# Altium PCB HBS V2.0.PcbDoc (part 1 of 3) (continued)
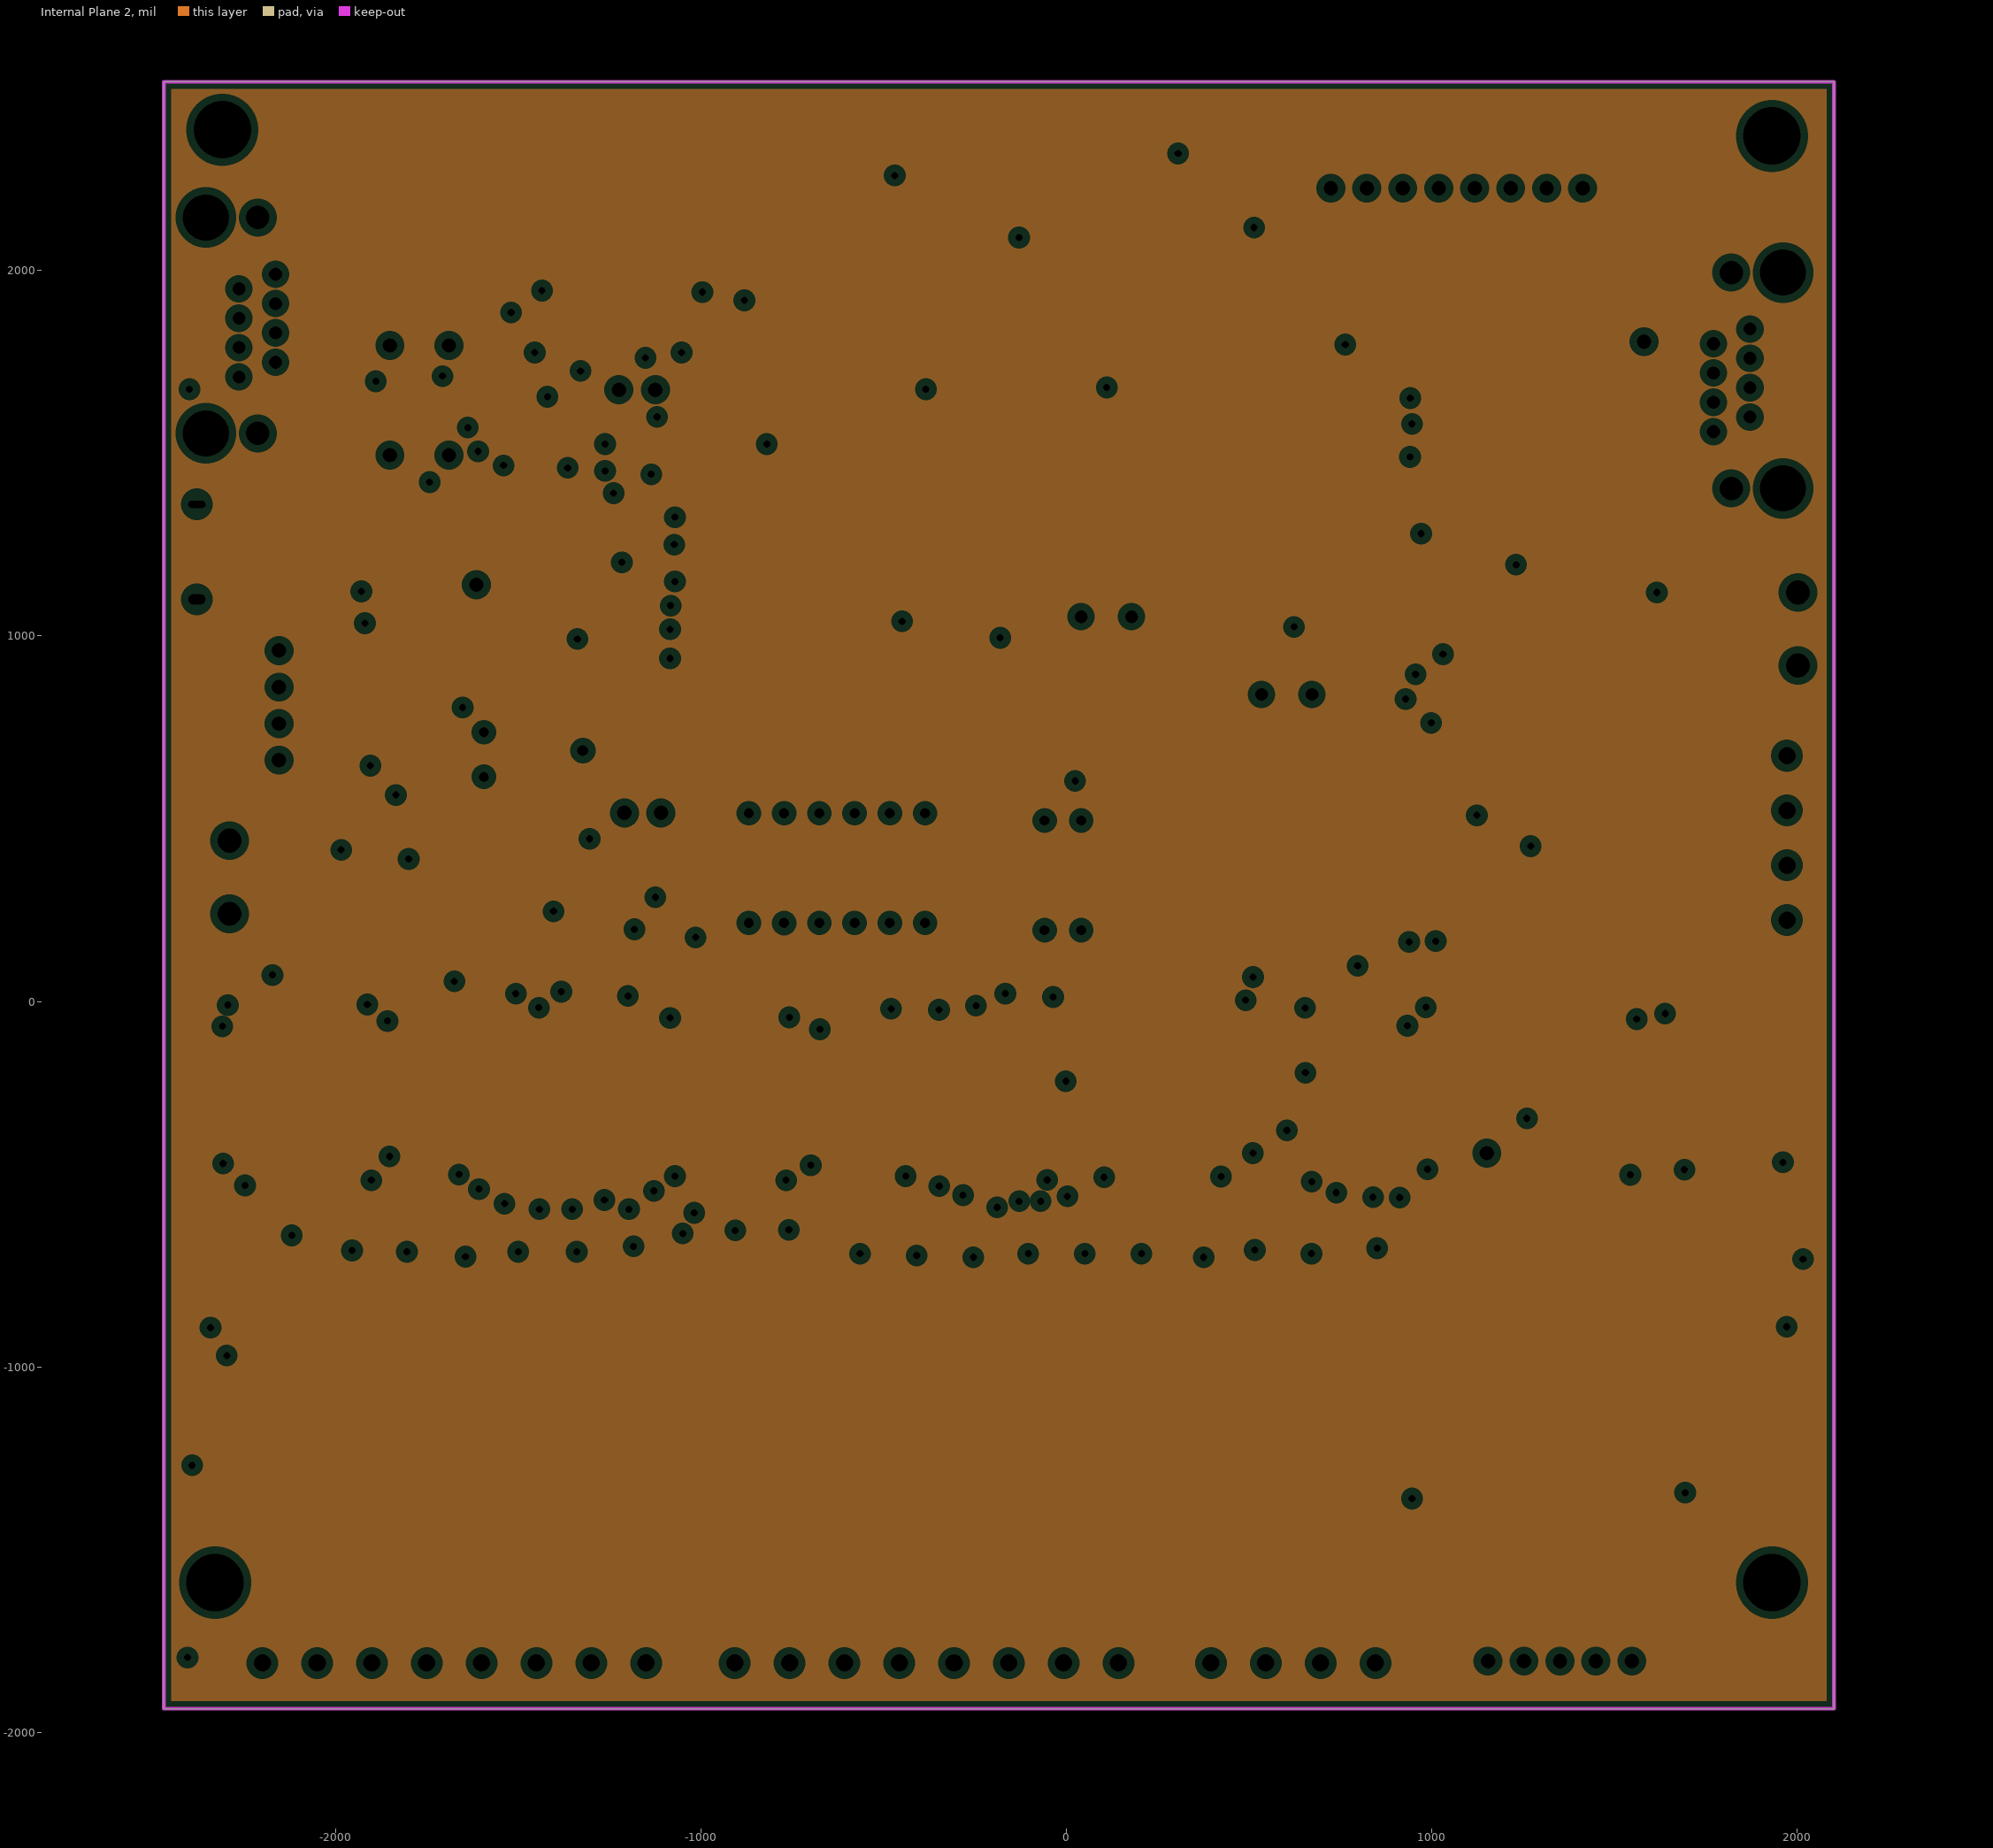
[diagram p3: Internal Plane 2, clearances drawn from the general rule]

## Layer stack, top to bottom
Top Solder: solder mask 0.4, Solder Resist, Dk 3.5
Top Layer: signal copper 1.4
Internal Plane 1: plane copper 1.4
Internal Plane 2: plane copper 1.4
Dielectric 1: dielectric 12.6, FR-4, Dk 4.8
Bottom Layer: signal copper 1.4
Bottom Solder: solder mask 0.4, Solder Resist, Dk 3.5

## Board outline
-2470,-1935 -2470,2516.26 2100,2516.26 2100,-1935

## Design rules (kind name [scope] priority, off if disabled: settings)
Clearance [All] p1: gap=7.87 ignorepadtopadclearanceinfootprint=TRUE except(0: Arc-Hole Track-Hole SMDPad-Hole THPad-Hole Via-Hole Fill-Hole Poly-Hole Region-Hole Text-Hole)
HoleSize [All] p1: absolutevalues=TRUE maxlimit=200 minlimit=1 maxpercent=80.000 minpercent=20.000
MinimumSolderMaskSliver [All] p1 off: minsoldermaskwidth=10
PlaneClearance [All] p1: clearance=20
PlaneConnect [All] p1: planeconnectstyle=Relief reliefexpansion=20 reliefentries=4 reliefconductorwidth=10 reliefairgap=10
PolygonConnect [All] p1: connectstyle=Relief reliefconductorwidth=10 reliefentries=4 polygonreliefangle="90 Angle" airgapwidth=10
RoomDefinition "Power 8V" [InComponentClass('Power 8V')] p1: confinementstyle=ConfineOut formatcopy=TRUE lockcomponents=FALSE outline 4565,-25 6825,-25 6825,785 4565,785
RoomDefinition "Shift Out" [InComponentClass('Shift Out')] p2: confinementstyle=ConfineOut formatcopy=TRUE lockcomponents=FALSE outline 4090,3280 2775,3280 2775,2635 4090,2635
RoomDefinition Actuator [InComponentClass('Actuator')] p3: confinementstyle=ConfineOut formatcopy=TRUE lockcomponents=FALSE outline 9900,-3450 8820,-3450 8820,-2335 9900,-2335
RoomDefinition Communication [InComponentClass('Communication')] p4: confinementstyle=ConfineOut formatcopy=TRUE lockcomponents=FALSE outline -2525,3275 -3240,3275 -3240,2565 -2525,2565
RoomDefinition "Power 5V" [InComponentClass('Power 5V')] p5: confinementstyle=ConfineOut formatcopy=TRUE lockcomponents=FALSE outline 2045,3575 950,3575 950,3225 2045,3225
RoomDefinition "Power 3.3V" [InComponentClass('Power 3.3V')] p6: confinementstyle=ConfineOut formatcopy=TRUE lockcomponents=FALSE outline -1733.72,3050 -1733.72,3975 -1035,3975 -1035,3050
RoomDefinition "Mosfet Input" [InComponentClass('Mosfet Input')] p7: confinementstyle=ConfineOut formatcopy=TRUE lockcomponents=FALSE outline -5290,-2150 -3795,-2150 -3795,-835 -5290,-835
RoomDefinition MCU [InComponentClass('MCU')] p8: confinementstyle=ConfineOut formatcopy=TRUE lockcomponents=FALSE outline -3700,5 -3700,1510 -2585,1510 -2585,5
RoomDefinition "Input Connector" [InComponentClass('Input Connector')] p9: confinementstyle=ConfineOut formatcopy=TRUE lockcomponents=FALSE outline -2940,-2680 -3705,-2680 -3705,-3045 -2940,-3045
RoomDefinition "Data Input Memory" [InComponentClass('Data Input Memory')] p10: confinementstyle=ConfineOut formatcopy=TRUE lockcomponents=FALSE outline 6030,410 5505,410 5505,1210 6030,1210
RoomDefinition Config [InComponentClass('Config')] p11: confinementstyle=ConfineOut formatcopy=TRUE lockcomponents=FALSE outline 7045,-4390 6515,-4390 6515,-3765 7045,-3765
RoutingVias [All] p1: holewidth=23.62 width=39.37 viastyle="Through Hole" minholewidth=19.68 minwidth=30 maxholewidth=43.31 maxwidth=82.68
SilkToBoardRegionClearance [All] p1 off:
SilkToSolderMaskClearance [IsPad] p1 off: minsilkscreentomaskgap=1 clearancetoexposedcopper=TRUE
SolderMaskExpansion [All] p1: expansion=4
UnRoutedNet [All] p1: checkbadconnections=TRUE
Width [All] p1: maxlimit=100 minlimit=10 preferedwidth=10 minimp=50.000000 maximp=50.000000 favimp=50.000000
23 further rules are at their usual default settings.

## Classes and differential pairs
component class "Power 8V": CM20 CM21 CR5 DM3 DZ20 LH4 LH5 REG1 RN1 RN2
component class "Shift Out": P3 SO1 SO2 SO3 SO5
component class Actuator: O1 O2 O3 O4 RF1 RF2 RF3 RF4 RF5 RF6 RF7 RF8 RF9 RF10 RF11 RF12 RF13 RF14 RF15 RF16 RF17 RF18 RF19 RF20 RF33 RF34 RF35 RF36 RH1 RH2 RH3 RH4 RX1 RX2 RX3 RX4 RX5 RX6 RX7 RX8 RX9 RX10 RX11 RX12 RX13 RX14 RX15 RX16 RX17 RX18 RX19 RX20 RX33 RX34 RX35 RX36 T1 T2 T3 T4 T5 T6 T7 T8 T9 T10 T11 T12 T13 T14 T15 T16 T17 T18 T19 T20 T33 T34 T35 T36
component class "Power 3.3V": 3.3V C2 C13 DP2 DZ2 R83 REG
component class "Mosfet Input": CY1 CY2 CY3 CY4 CY5 CY6 CY7 CY8 CY9 CY10 CY11 CY12 CY13 CY14 CY15 CY16 CY17 CY18 CY19 CY20 DD1 DD2 DD3 DD4 DD5 DD6 DD7 DD8 DD9 DD10 DD11 DD12 DD13 DD14 DD15 DD16 DD17 DD18 DD19 DD20 L1 L2 L3 L4 L5 L6 L7 L8 L9 L10 L11 L12 L13 L14 L15 L16 L17 L18 L19 L20 M1 M2 M3 M4 M5 M6 M7 M8 M9 M10 M11 M12 M13 M14 M15 M16 M17 M18 M19 M20 RA1 RA2 RA3 RA4 RA5 RA6 RA7 RA8 RA9 RA10 RA11 RA12 RA13 RA14 RA15 RA16 RA17 RA18 RA19 RA20 RJ1 RJ2 RJ3 RJ4 RJ5 RJ6 RJ7 RJ8 RJ9 RJ10 RJ11 RJ12 RJ13 RJ14 RJ15 RJ16 RJ17 RJ18 RJ19 RJ20 RR1 RR2 RR3 RR4 RR5 RR6 RR7 RR8 RR9 RR10 RR11 RR12 RR13 RR14 RR15 RR16 RR17 RR18 RR19 RR20
component class MCU: C6 C7 C10 C15 C16 DZ10 DZ11 DZ12 JLink R1 R2 R3 R5 R6 R7 R8 R15 R16 R30 RES SPD STM usb Y2 Y3
component class "Input Connector": 24V CIN CIN2 DM6 DZ13 DZ14 DZ15 DZ16 DZ21 DZ22 F3 P1 P2 P4 P6 P9 PO PO2 R80
component class "Data Input Memory": Sh1 Sh2 Sh3
component class Communication: ADM ADM2 CM12 CM13 CM25 CM30 JP1 R60 R61 R'15 R'16 R'18 R'40 R'41 R'42 RM1 RT1 RT2 RT3 RT4 RT20 RT21 RT22 RT23 RV1 RV2 Rx SM SM2 Tx
component class Config: R44 R45 R46 R47 R48 R49 R50 R51 S3 S4 Sh5
component class "Power 5V": 5V CR1 CR2 CR3 DM2 DP1 DZ1 R82 Reg2

## Components (designator, comment, footprint, x,y, rotation, side; value= is the part's Value field where it differs from the comment)
3.3V "RED" "LED SMD 1206" -1073.46,2098 r180 top
5V "RED" "LED SMD 1206" -1347.62,2100 r0 top
24V "RED" "LED SMD 1206" -745.58,2091.13 r0 top
ADM "ADM485" SO8_NARROW_N -1724.47,1990 r180 top
ADM2 "ADM485" SO8_NARROW_N 1150,1567.52 r0 top
C2 "100nF" SMD_CAP_0603 -1572.96,307.2 r90 top
C6 "20pF" SMD_CAP_0603 -750,969.36 r90 top
C7 "20pF" SMD_CAP_0603 -750,1115 r270 top
C10 "1uF" SMD_CAP_0603 -1021.51,1773.6 r180 top
C13 "100uF" CAPMP6032X280N -1392.43,335 r270 top
C15 "10pF" SMD_CAP_0603 -1725,675.45 r180 top
C16 "10pF" SMD_CAP_0603 -1724.76,570.79 r180 top
CIN "CN_MODJACK_8P" "CN_RJ45_TYCO_ DY122-8P8C-G" -2355,2145 r270 top
CIN2 "CN_MODJACK_8P" "CN_RJ45_TYCO_ DY122-8P8C-G" 1960.55,1403.78 r90 top
CM12 "10uF" CAPMP3216X180N -1490.99,1660 r180 top
CM13 "100nF" SMD_CAP_1206 -1442.79,1565 r180 top
CM20 "100uF" "cap 03" 108.9,1052.88 r180 top
CM21 "2000uF" "cap 03" 602.48,840 r0 top
CM25 "100nF" SMD_CAP_1206 812.8,1272.8 r0 top
CM30 "10uF" CAPMP3216X180N 870,1370 r0 top
CR1 "330nF" 1206 -745,1945 r180 top
CR2 "100nF" 1206 -385,1117.05 r180 top
CR3 "100uF" CAPMP6032X280N -380,965 r180 top
CR5 "100uF" CAPMP6032X280N -620,1056.6 r270 top
CY1 "10uF" SMD_CAP_0603 -2179.21,-674.92 r180 top
CY2 "10uF" SMD_CAP_0603 -2024.21,-674.92 r180 top
CY3 "10uF" SMD_CAP_0603 -1869.21,-674.92 r180 top
CY4 "10uF" SMD_CAP_0603 -1714.21,-674.92 r180 top
CY5 "10uF" SMD_CAP_0603 -1559.21,-674.92 r180 top
CY6 "10uF" SMD_CAP_0603 -1404.21,-674.92 r180 top
CY7 "10uF" SMD_CAP_0603 -1249.21,-674.92 r180 top
CY8 "10uF" SMD_CAP_0603 -1094.21,-674.92 r180 top
CY9 "10uF" SMD_CAP_0603 -939.21,-674.92 r180 top
CY10 "10uF" SMD_CAP_0603 -784.21,-674.92 r180 top
CY11 "10uF" SMD_CAP_0603 -629.21,-674.92 r180 top
CY12 "10uF" SMD_CAP_0603 -474.21,-674.92 r180 top
CY13 "10uF" SMD_CAP_0603 -319.21,-674.92 r180 top
CY14 "10uF" SMD_CAP_0603 -164.21,-674.92 r180 top
CY15 "10uF" SMD_CAP_0603 -9.21,-674.92 r180 top
CY16 "10uF" SMD_CAP_0603 145.79,-674.92 r180 top
CY17 "10uF" SMD_CAP_0603 300.79,-674.92 r180 top
CY18 "10uF" SMD_CAP_0603 455.79,-674.92 r180 top
CY19 "10uF" SMD_CAP_0603 610.79,-674.92 r180 top
CY20 "10uF" SMD_CAP_0603 765.79,-674.92 r180 top
DD1 "1N4148" LL4148 -2270,-1170 r270 top
DD2 "1N4148" LL4148 -2100,-1170 r270 top
DD3 "1N4148" LL4148 -1930,-1170 r270 top
DD4 "1N4148" LL4148 -1760,-1170 r270 top
DD5 "1N4148" LL4148 -1590,-1170 r270 top
DD6 "1N4148" LL4148 -1420,-1170 r270 top
DD7 "1N4148" LL4148 -1250,-1170 r270 top
DD8 "1N4148" LL4148 -1080,-1170 r270 top
DD9 "1N4148" LL4148 -910,-1170 r270 top
DD10 "1N4148" LL4148 -740,-1170 r270 top
DD11 "1N4148" LL4148 -570,-1170 r270 top
DD12 "1N4148" LL4148 -400,-1170 r270 top
DD13 "1N4148" LL4148 -230,-1170 r270 top
DD14 "1N4148" LL4148 -60,-1170 r270 top
DD15 "1N4148" LL4148 110,-1170 r270 top
DD16 "1N4148" LL4148 280,-1170 r270 top
DD17 "1N4148" LL4148 450,-1170 r270 top
DD18 "1N4148" LL4148 620,-1170 r270 top
DD19 "1N4148" LL4148 790,-1170 r270 top
DD20 "1N4148" LL4148 960,-1165 r270 top
DM2 "1N5822" "DO214AC SMA" -770,1780 r0 top
DM3 "1N5822" "DO214AC SMA" 590.31,1625 r180 top
DM6 "1N5822" "DO214AC SMA" 312.15,2110.44 r0 top
DP1 "1N4148" LL4148 -395.66,1226.65 r180 top
DP2 "1N4148" LL4148 -1392.67,551.1 r180 top
DZ1 "DZ5.6V 0.5W" Minimelf -175,1117.05 r180 top
DZ2 "DZ3.6V 0.5W" Minimelf -1815,490 r0 top
DZ10 "DZ3.6V 0.5W" Minimelf -2050,1045 r180 top
DZ11 "DZ3.6V 0.5W" Minimelf -2069.51,697.53 r90 top
DZ12 "DZ3.6V 0.5W" Minimelf -1990,697.53 r90 top
DZ13 "DZ3.6V 0.5W" Minimelf 1652.04,2256.18 r180 top
DZ14 "DZ3.6V 0.5W" Minimelf 1652.04,2171.5 r180 top
DZ15 "DZ3.6V 0.5W" Minimelf 549.51,1899.96 r90 top
DZ16 "DZ3.6V 0.5W" Minimelf 454.54,1899.96 r90 top
DZ20 "DZ9.1V 0.5W" Minimelf -769.61,1358.53 r0 top
DZ21 "DZ3.6V 0.5W" Minimelf 1652.04,2425.55 r180 top
DZ22 "DZ3.6V 0.5W" Minimelf 1652.04,2340.86 r180 top
F3 "Fuse 1A 1206" "Fuse SMD 1206" 15.53,2100.44 r0 top
JLink "Header Male Right 1x4" "Header 1x4 male rightangle" -2155,760.17 r90 top
JP1 "Jumper" "Jumper Small - 2.54 - GRAY" -1175,1673.48 r180 top
L1 "RED" "LED 0603/1608 RED" -2375,-1800 r0 top
L2 "RED" "LED 0603/1608 RED" -2060,-1515 r0 top
L3 "RED" "LED 0603/1608 RED" -1903.33,-1515 r0 top
L4 "RED" "LED 0603/1608 RED" -1746.67,-1515 r0 top
L5 "RED" "LED 0603/1608 RED" -1605,-1515 r0 top
L6 "RED" "LED 0603/1608 RED" -1450,-1515 r0 top
L7 "RED" "LED 0603/1608 RED" -1281.67,-1515 r0 top
L8 "RED" "LED 0603/1608 RED" -1120,-1515 r0 top
L9 "RED" "LED 0603/1608 RED" -925,-1515 r0 top
L10 "RED" "LED 0603/1608 RED" -770.65,-1515 r0 top
L11 "RED" "LED 0603/1608 RED" -616.29,-1515 r0 top
L12 "RED" "LED 0603/1608 RED" -461.94,-1515 r0 top
L13 "RED" "LED 0603/1608 RED" -307.59,-1515 r0 top
L14 "RED" "LED 0603/1608 RED" -153.23,-1515 r0 top
L15 "RED" "LED 0603/1608 RED" 1.12,-1515 r0 top
L16 "RED" "LED 0603/1608 RED" 155.47,-1515 r0 top
L17 "RED" "LED 0603/1608 RED" 369.53,-1515 r0 top
L18 "RED" "LED 0603/1608 RED" 531.19,-1515 r0 top
L19 "RED" "LED 0603/1608 RED" 692.86,-1515 r0 top
L20 "RED" "LED 0603/1608 RED" 859.53,-1515 r0 top
LH4 "100uH" "CD45 SMD Inductor" 607.4,1390 r0 top
LH5 "22uH" "HPC6045 SMD INDUCTOR" -786.27,1530 r0 top
M1 "2N7002" SOT23-3 -2180.79,-944.92 r270 top
M2 "2N7002" SOT23-3 -2025.79,-944.92 r270 top
M3 "2N7002" SOT23-3 -1870.79,-944.92 r270 top
M4 "2N7002" SOT23-3 -1715.79,-944.92 r270 top
M5 "2N7002" SOT23-3 -1560.79,-944.92 r270 top
M6 "2N7002" SOT23-3 -1405.79,-944.92 r270 top
M7 "2N7002" SOT23-3 -1250.79,-944.92 r270 top
M8 "2N7002" SOT23-3 -1095.79,-944.92 r270 top
M9 "2N7002" SOT23-3 -940.79,-944.92 r270 top
M10 "2N7002" SOT23-3 -785.79,-944.92 r270 top
M11 "2N7002" SOT23-3 -630.79,-944.92 r270 top
M12 "2N7002" SOT23-3 -475.79,-944.92 r270 top
M13 "2N7002" SOT23-3 -320.79,-944.92 r270 top
M14 "2N7002" SOT23-3 -165.79,-944.92 r270 top
M15 "2N7002" SOT23-3 -10.79,-944.92 r270 top
M16 "2N7002" SOT23-3 144.21,-944.92 r270 top
M17 "2N7002" SOT23-3 299.21,-944.92 r270 top
M18 "2N7002" SOT23-3 454.21,-944.92 r270 top
M19 "2N7002" SOT23-3 609.21,-944.92 r270 top
M20 "2N7002" SOT23-3 764.21,-944.92 r270 top
O1 "RED" "LED 0603/1608 RED" 1660.74,210.39 r270 top
O2 "RED" "LED 0603/1608 RED" 1660.74,376.39 r270 top
O3 "RED" "LED 0603/1608 RED" 1660.74,542.39 r270 top
O4 "RED" "LED 0603/1608 RED" 1660.74,708.39 r270 top
P1 "XH8MR" "phonix 8pin right 3.81" -1150.59,-1810 r270 top
P2 "XH8MR" "phonix 8pin right 3.81" 142.13,-1810 r270 top
P3 "Header 5" CN_JST-B5B-S_XH 1153.15,-1805 r180 top
P4 "XH4MR" "phonix 4pin right 3.81" 845,-1810 r270 top
P6 "XH4MR" "phonix 4pin right 3.81" 1971.01,672.45 r0 top
P9 "XH8MR" CN_JST-B8B-S_XH 1412.13,2225 r0 top
PO "Header 2" "phonix 2pin right 5.08" -2290,340 r180 top
PO2 "Header 2" "phonix 2pin right 5.08" 2001.01,1019.11 r0 top
R1 "10K" "RES 0603" -1165,1285 r180 top
R2 "10K" "RES 0603" -1770.45,795.75 r0 top
R3 "10K" "RES 0603" -1213.79,1202.49 r0 top
R5 "20R" "RES 0603" -2100,1220 r180 top
R6 "20R" "RES 0603" -2101.01,1150 r180 top
R7 "1.5K" "RES 0603" -2055,1150 r0 top
R8 "390" "RES 0603" -1219.95,810 r0 top
R15 "10K" "RES 0603" -1924.44,696.01 r90 top
R16 "10K" "RES 0603" -1967.88,900 r90 top
R30 "10K" "RES 0603" -1088.19,692.99 r270 top
R44 "10K" "RES 0603" -832.3,645 r180 top
R45 "10K" "RES 0603" -719.46,645 r180 top
R46 "10K" "RES 0603" -598.45,645 r180 top
R47 "10K" "RES 0603" -477.44,645 r180 top
R48 "10K" "RES 0603" -356.43,645 r180 top
R49 "10K" "RES 0603" -235.43,645 r180 top
R50 "10K" "RES 0603" -116.13,645 r0 top
R51 "10K" "RES 0603" 22.84,645 r0 top
R60 "510" "RES 0603" -1159.27,1790 r180 top
R61 "510" "RES 0603" -1379.07,1790 r0 top
R80 "5K" "RES 0603" -445,2085 r180 top
R82 "1K" "RES 0603" -1377.45,2003.44 r0 top
R83 "500" "RES 0603" -1057.45,2003.44 r180 top
R'15 "10k" "RES 0603" -1866.72,1340 r180 top
R'16 "10K" "RES 0603" -1680,2170 r0 top
R'18 "10k" "RES 0603" -1497.67,2170 r180 top
R'40 "10k" "RES 0603" 878.77,1466.66 r180 top
R'41 "10K" "RES 0603" 878.77,1558.66 r180 top
R'42 "10k" "RES 0603" 878.77,1630 r180 top
RA1 "10K" "RES 0805" -2144.78,-769.43 r180 top
RA2 "10K" "RES 0805" -1989.78,-769.43 r180 top
RA3 "10K" "RES 0805" -1834.78,-769.43 r180 top
RA4 "10K" "RES 0805" -1679.78,-769.43 r180 top
RA5 "10K" "RES 0805" -1524.78,-769.43 r180 top
RA6 "10K" "RES 0805" -1369.78,-769.43 r180 top
RA7 "10K" "RES 0805" -1214.78,-769.43 r180 top
RA8 "10K" "RES 0805" -1059.78,-769.43 r180 top
RA9 "10K" "RES 0805" -904.78,-769.43 r180 top
RA10 "10K" "RES 0805" -749.78,-769.43 r180 top
RA11 "10K" "RES 0805" -594.78,-769.43 r180 top
RA12 "10K" "RES 0805" -439.78,-769.43 r180 top
RA13 "10K" "RES 0805" -284.78,-769.43 r180 top
RA14 "10K" "RES 0805" -129.78,-769.43 r180 top
RA15 "10K" "RES 0805" 25.22,-769.43 r180 top
RA16 "10K" "RES 0805" 180.22,-769.43 r180 top
RA17 "10K" "RES 0805" 335.22,-769.43 r180 top
RA18 "10K" "RES 0805" 490.22,-769.43 r180 top
RA19 "10K" "RES 0805" 645.22,-769.43 r180 top
RA20 "10K" "RES 0805" 793.74,-765 r180 top
REG "AMS1117-3.3" SOT223 -1852.96,307.2 r180 top
REG1 "LM2576-Adj" TO-263-5 198.55,1655 r90 top
Reg2 "L7805" D2PAK-3 -394.47,1588.87 r270 top value=variable
RES "Button" "TE FSMSMTR" -1165,1525 r90 top
RF1 "1K" "RES 1206" -2210,-915 r90 bottom
RF2 "1K" "RES 1206" -2052.1,-915 r90 bottom
RF3 "1K" "RES 1206" -1894.19,-915 r90 bottom
RF4 "1K" "RES 1206" -1736.29,-907.05 r90 bottom
RF5 "1K" "RES 1206" -1578.39,-924.92 r90 bottom
RF6 "1K" "RES 1206" -1420.48,-915 r90 bottom
RF7 "1K" "RES 1206" -1262.58,-915 r90 bottom
RF8 "1K" "RES 1206" -1104.68,-915 r90 bottom
RF9 "1K" "RES 1206" -946.77,-915 r90 bottom
RF10 "1K" "RES 1206" -788.87,-915 r90 bottom
RF11 "1K" "RES 1206" -630.97,-915 r90 bottom
RF12 "1K" "RES 1206" -473.06,-915 r90 bottom
RF13 "1K" "RES 1206" -315.16,-915 r90 bottom
RF14 "1K" "RES 1206" -157.26,-915 r90 bottom
RF15 "1K" "RES 1206" 0.64,-915 r90 bottom
RF16 "1K" "RES 1206" 158.55,-915 r90 bottom
RF17 "1K" "RES 1206" 316.45,-915 r90 bottom
RF18 "1K" "RES 1206" 474.35,-915 r90 bottom
RF19 "1K" "RES 1206" 632.26,-915 r90 bottom
RF20 "1K" "RES 1206" 790.16,-915 r90 bottom
RF33 "1K" "RES 1206" 1936.1,-1234.39 r180 top
RF34 "1K" "RES 1206" 1936.1,-1033.78 r180 top
RF35 "1K" "RES 1206" 1407.22,1118.8 r180 top
RF36 "1K" "RES 1206" 1407.22,1319.41 r180 top
RH1 "5K" "RES 1206" 1575,277.95 r90 top
RH2 "5K" "RES 1206" 1575,477.95 r90 top
RH3 "5K" "RES 1206" 1575,662.95 r90 top
RH4 "5K" "RES 1206" 1575,860 r90 top
RJ1 "100K" "RES 0603" -2395,-980 r270 top
RJ2 "100K" "RES 0603" -2195,-1137.01 r270 top
RJ3 "100K" "RES 0603" -2025,-1137.01 r270 top
RJ4 "100K" "RES 0603" -1855,-1137.01 r270 top
RJ5 "100K" "RES 0603" -1685,-1137.01 r270 top
RJ6 "100K" "RES 0603" -1515,-1137.01 r270 top
RJ7 "100K" "RES 0603" -1345,-1137.01 r270 top
RJ8 "100K" "RES 0603" -1175,-1137.01 r270 top
RJ9 "100K" "RES 0603" -1005,-1137.01 r270 top
RJ10 "100K" "RES 0603" -835,-1137.01 r270 top
RJ11 "100K" "RES 0603" -665,-1137.01 r270 top
RJ12 "100K" "RES 0603" -495,-1137.01 r270 top
RJ13 "100K" "RES 0603" -325,-1137.01 r270 top
RJ14 "100K" "RES 0603" -155,-1137.01 r270 top
RJ15 "100K" "RES 0603" 15,-1137.01 r270 top
RJ16 "100K" "RES 0603" 185,-1137.01 r270 top
RJ17 "100K" "RES 0603" 355,-1137.01 r270 top
RJ18 "100K" "RES 0603" 525,-1137.01 r270 top
RJ19 "100K" "RES 0603" 695,-1137.01 r270 top
RJ20 "100K" "RES 0603" 865,-1132.01 r270 top
RM1 "150" "RES 1206 (3216X08L)" -1530.81,1781.77 r90 top
RN1 "5.6K" "RES 0805" 634.96,1205 r180 top
RN2 "1K" "RES 0805" 565.34,1100.16 r0 top
RR1 "5K" "RES 1206" -2380,-1145 r270 top
RR2 "5K" "RES 1206" -2135,-1305 r270 top
RR3 "5K" "RES 1206" -2015,-1305 r270 top
RR4 "5K" "RES 1206" -1845,-1305 r270 top
RR5 "5K" "RES 1206" -1675,-1305 r270 top
RR6 "5K" "RES 1206" -1505,-1305 r270 top
RR7 "5K" "RES 1206" -1335,-1305 r270 top
RR8 "5K" "RES 1206" -1165,-1305 r270 top
RR9 "5K" "RES 1206" -995,-1305 r270 top
RR10 "5K" "RES 1206" -825,-1305 r270 top
RR11 "5K" "RES 1206" -655,-1305 r270 top
RR12 "5K" "RES 1206" -485,-1305 r270 top
RR13 "5K" "RES 1206" -315,-1305 r270 top
RR14 "5K" "RES 1206" -145,-1305 r270 top
RR15 "5K" "RES 1206" 25,-1305 r270 top
RR16 "5K" "RES 1206" 195,-1305 r270 top
RR17 "5K" "RES 1206" 365,-1305 r270 top
RR18 "5K" "RES 1206" 535,-1305 r270 top
RR19 "5K" "RES 1206" 705,-1305 r270 top
RR20 "5K" "RES 1206" 875,-1305 r270 top
RT1 "10K" "RES 0603" -2008.68,1723.91 r270 top
RT2 "10K" "RES 0603" -2010,1525.87 r90 top
RT3 "20" "RES 0603" -1999.71,1941.55 r0 top
RT4 "20" "RES 0603" -1999.71,2015 r0 top
RT20 "10K" "RES 0603" 1395.56,1658.76 r0 top
RT21 "20" "RES 0603" 1451.61,1594.11 r180 top
RT22 "10K" "RES 0603" 1451.61,1464.82 r180 top
RT23 "20" "RES 0603" 1451.61,1529.47 r180 top
RV1 "Res Varistor 10D201K" "Varistor Short Hieght - Vertical" -1851.5,1645 r270 top
RV2 "Res Varistor 10D201K" "Varistor Short Hieght - Vertical" -1689.71,1645.02 r270 top
Rx "RED" "LED 0603/1608 RED" -1359.07,1879.17 r0 top
RX1 "20" "RES 1206" -2129.77,-1161.1 r90 bottom
RX2 "20" "RES 1206" -1971.4,-1161.1 r90 bottom
RX3 "20" "RES 1206" -1813.03,-1161.1 r90 bottom
RX4 "20" "RES 1206" -1654.65,-1161.1 r90 bottom
RX5 "20" "RES 1206" -1496.28,-1161.1 r90 bottom
RX6 "20" "RES 1206" -1337.91,-1161.1 r90 bottom
RX7 "20" "RES 1206" -1179.54,-1161.1 r90 bottom
RX8 "20" "RES 1206" -1021.17,-1161.1 r90 bottom
RX9 "20" "RES 1206" -862.8,-1161.1 r90 bottom
RX10 "20" "RES 1206" -704.43,-1161.1 r90 bottom
RX11 "20" "RES 1206" -546.06,-1161.1 r90 bottom